# KiCad board poly_kb_wave_right2.kicad_pcb (continued)
## Routing (per net, layer and track width the routed paths; a pad name or vN(x,y) marks a point on that pad's centre or on a via; arc(x,y) is an arc through that point) (continued)
VBAT_UNLIMITED: length 30.1
  Top w0.6: C11.1 7.77,99.78 R10.2 6.52,99.73 v1(6.39,99.86) 6.33,99.8 U3.5 4.48,96.04 v1(3.47,95.03) 3.47,93.43 5.04,91.86 v1(8.04,91.86)
  Bottom w0.5: L1.2 6.44,101.01 C12.1 v1(6.39,99.86) ; C13.1 3.47,95.85 v1(3.47,95.03) 3.47,91.61 D6.2
  Bottom w0.6: JP1.3 9.34,91.45 8.93,91.86 v1(8.04,91.86)
VBUS: length 92.8
  Top w0.5: 5.6,116.1 F1.1
  Top w0.6: 14.14,119.35 14.14,120.5 D2.1 ; 14.14,119.35 8.85,119.35 5.6,116.1 ; 14.14,119.35 14.14,117.51 ; 14.14,117.51 14.18,117.47 14.18,108.78 13.06,107.66 4.61,107.66 2.1,105.14 2.1,83.32 9.22,76.2 9.22,74.85 v1(8.85,74.48) v1(8.85,69.61) ; 14.14,117.51 14.41,117.79 v1(18.73,117.79) 23.22,117.79 v1(23.28,117.73)
  Bottom w0.6: v1(8.85,74.48) 8.84,74.5 USB2.11 ; v1(23.28,117.73) 23.45,117.91 USB1.11 ; v1(18.73,117.79) 18.55,117.97 USB1.2 ; v1(8.85,69.61) 6.76,69.61 USB2.2
VDD: length 1348.4
  Top w0.229: 24.32,108.24 24.3,108.22 C21.1 ; 24.78,107.03 25.01,106.81 25.01,105.16 C23.1 24.73,103.4 C26.1 ; 24.78,107.03 24.56,107.26 C21.1 ; 24.78,107.03 25.04,107.03 v3(25.24,107.23) ; 18.63,105.35 18.6,105.33 18.6,103.47 C17.1 19.17,102.9 v3(19.17,102.83) ; 18.63,105.35 19.36,105.35 19.4,105.31 ; 18.63,105.35 18.6,105.38 18.6,107.31 18.72,107.42 18.72,108.24 ; v2(11.22,86.59) 11.05,86.77 J39.6 11.05,89.5 ; v2(19.77,108.94) 19.19,108.94 19.17,108.95 ; C21.1 C22.1 ; C26.1 24.04,103.46 v3(24.04,103.88) ; C26.1 23.56,102.22 C18.1 22.39,101.64 21.55,101.64 v3(21.49,101.7) ; 14.14,104.1 14.14,104.7 ; 21.53,108.24 21.54,108.25 v3(21.54,108.78)
  Top w0.3: v1(13.3,89.55) 13.55,89.3 J39.11 ; 12.5,89.55 12.55,89.5 J39.9 ; 10.1,96.04 U3.4 ; v2(80.08,34.18) 83.18,34.18 90.38,41.38 v2(90.38,41.78) ; C20.1 20.9,108.24
  Top w0.5: v1(13.43,80.52) 13.5,80.58 13.5,84.1 v1(14.05,84.66) ; v1(13.3,89.55) 11.1,89.55 11.05,89.5 11,89.55 11,95.95 ; U2.1 11.78,103.23 11.84,103.16 14.14,103.16 ; 14.14,103.16 v1(14.14,107.1) 14.14,107.64 14.74,108.24 25.27,108.24 25.96,108.94 31.03,108.94 32.1,110 v2(32.1,112.95) ; 14.14,103.16 14.14,99.99 13.75,99.6 11.25,99.6 11,99.35 11,95.95 ; 11,95.95 10.92,96.04 9.45,96.04 ; 9.45,96.04 10.07,96.04 ; 9.45,96.04 U3.4 ; v2(19.77,108.94) 19.77,108.57
  Top w0.6: R14.2 11.83,110.53 13,109.35 v1(13,108.95) ; R14.2 10.3,110.58 C5.1 ; R14.2 8.53,110.53 C6.1
  Bottom w0.229: U10.10 24.65,103.28 v3(24.04,103.88) ; v3(21.49,101.7) 21.55,101.64 U10.22 ; 11.78,85.86 11.22,86.42 v2(11.22,86.59) ; v2(19.77,108.94) 19.55,108.72 U10.44 U10.43 U10.42 ; v3(21.54,108.78) 21.55,108.76 U10.49 U10.48 ; U10.33 18.8,103.28 19.17,102.91 v3(19.17,102.83) ; U10.1 25.19,107.18 v3(25.24,107.23)
  Bottom w0.3: 118.47,116.53 118.72,116.77 119.51,116.77 ; 118.47,116.53 117.83,115.88 114.66,115.88 114.28,116.26 113.26,116.26 ; 118.47,116.53 118.75,116.8 119.14,116.8 ; 62.72,57.27 70.56,57.27 R1_23.1 72.53,57.24 74.4,59.11 75.16,59.11 ; 62.72,57.27 62.72,57.26 ; 62.72,57.27 61.6,57.27 60.68,56.35 57.51,56.35 57.13,56.73 56.11,56.73 ; 62.72,57.27 62.65,57.33 J23.7 ; v2(80.08,34.18) 80,34.1 78.75,34.1 ; U25.5 155.68,122.03 155.1,122.61 152.4,122.61 ; C3_30.1 18.03,22.33 18.24,21.76 19.12,20.88 20.28,20.88 23.06,21.89 23.61,23.07 24.66,23.45 ; J30.7 24.58,23.49 24.66,23.45 ; 62.72,76.32 61.6,76.32 60.68,75.4 57.51,75.4 57.13,75.78 56.11,75.78 ; 62.72,76.32 62.65,76.38 J16.7 ; 62.72,76.32 62.72,76.31 70.56,76.31 R1_16.1 72.2,76.29 74.07,78.16 75.16,78.16 ; 119.87,40.6 118.75,40.6 117.83,39.68 114.66,39.68 113.26,41.08 113.26,41.81 C3_34.1 112.12,42.95 R1_33.1 100.85,42.95 100.82,42.98 ; 119.87,40.6 119.8,40.66 119.8,41.36 ; 119.87,40.6 119.87,40.59 128.75,40.59 129.21,41.05 131.65,41.05 132.03,40.68 C3_35.1 132.31,39.43 132.31,38.7 133.71,37.3 136.88,37.3 137.8,38.22 138.92,38.22 ; 75.16,116.26 75.16,118.01 C3_3.1 ; 75.16,116.26 73.45,116.26 71.6,114.41 62.72,114.41 62.72,114.42 ; 75.16,116.26 76.18,116.26 76.56,115.88 79.73,115.88 80.65,116.8 81.77,116.8 ; 138.92,57.27 138.85,57.33 J27.7 ; 138.92,57.27 138.92,57.26 147.8,57.26 148.33,56.73 150.35,56.73 ; 138.92,57.27 137.8,57.27 136.88,56.35 133.71,56.35 132.31,57.75 132.31,58.48 C3_27.1 132.03,59.58 131.4,60.2 129.31,60.2 128.75,59.64 119.87,59.64 119.87,59.65 ; 14.77,85.91 C32.2 15.52,85.89 ; 109.63,119.15 R1_4.1 100.85,119.15 100.82,119.18 ; 109.63,119.15 109.63,118.46 111.82,116.26 113.26,116.26 ; 109.63,119.15 110.14,119.66 110.14,122.47 109.78,122.83 109.78,125.91 ; C3_17.1 75.16,79.91 75.16,78.16 ; R1_5.1 127.22,116.77 ; 127.22,116.77 119.51,116.77 ; 127.22,116.77 131.17,116.77 C3_6.1 132.31,115.63 132.31,114.9 133.71,113.5 136.88,113.5 137.8,114.42 138.92,114.42 ; 125.6,125.61 127.4,125.61 ; 125.6,125.61 125.58,125.59 U20.5 ; 125.6,125.61 112.76,125.61 112.75,125.6 ; 127.4,125.61 128.21,125.61 ; 127.4,125.61 129,125.61 130.95,123.66 131.8,123.66 ; 33.56,75.78 37.06,75.78 ; 37.06,75.78 38.08,75.78 38.46,75.4 41.63,75.4 42.55,76.32 43.67,76.32 ; 37.06,75.78 37.06,77.53 C3_15.1 ; J26.7 119.8,59.71 119.87,59.65 ; 156.12,94.83 156.12,96.58 C3_14.1 ; 156.12,94.83 150.33,94.83 ; 156.12,94.83 157.14,94.83 157.52,94.45 160.69,94.45 161.61,95.37 162.73,95.37 ; 28.55,114 C9.1 ; 28.55,114 29.6,112.95 v2(32.1,112.95) 32.1,111.26 R20.1 ; 28.55,114 27.8,114 U9.8 ; 62.72,95.37 62.65,95.43 J9.7 ; 62.72,95.37 61.6,95.37 60.68,94.45 57.51,94.45 57.13,94.83 56.11,94.83 ; 62.72,95.37 70.56,95.37 R1_9.1 72.54,95.34 74.42,97.21 75.16,97.21 ; 62.72,114.42 61.6,114.42 60.68,113.5 57.51,113.5 57.13,113.88 56.11,113.88 ; 62.72,114.42 62.65,114.48 J2.7 ; 52.13,76.31 43.67,76.31 43.67,76.32 ; 52.13,76.31 52.13,76.33 53.45,77.66 53.45,83.3 51.25,85.5 51.25,89.8 53.08,91.63 53.08,94.83 ; 52.13,76.31 52.66,75.78 56.11,75.78 ; 109.78,125.91 U18.5 ; 109.78,125.91 109.78,126.18 110.1,126.5 112.3,126.5 112.75,126.05 112.75,125.6 ; 119.14,116.8 119.17,116.77 119.51,116.77 ; 119.14,116.8 119.87,116.8 119.87,116.79 ; 109.31,81.08 109.7,81.08 ; 109.31,81.08 112.1,81.08 C3_19.1 113.26,79.91 113.26,79.2 114.28,78.18 114.28,78.16 114.66,77.78 117.83,77.78 118.75,78.7 119.87,78.7 ; 109.31,81.08 100.82,81.08 100.82,81.08 ; C3_4.1 93.25,119.42 93.28,119.45 ; 40.73,51.37 39.65,51.11 38.97,50 35.88,49.26 35.42,49.54 34.43,49.31 ; 40.73,51.37 40.66,51.42 J22.7 ; 40.73,51.37 40.74,51.36 R1_22.1 51.05,53.81 53.97,56.73 56.11,56.73 ; C3_33.1 94.21,44.19 94.21,41.86 94.13,41.78 ; 68.5,124.89 U17.5 71.39,124.89 71.9,125.41 74.2,125.41 74.65,124.95 U16.5 ; 68.5,124.89 68.43,124.82 U12.5 ; 68.5,124.89 55.65,124.89 ; C3_31.1 39.7,29.3 40.11,27.59 ; 56.11,75.78 56.11,77.53 C3_16.1 ; 88.9,22.75 85.4,22.75 84.53,23.63 ; R1_7.1 170.57,114.75 162.73,114.75 ; 43.67,76.32 43.6,76.38 J15.7 ; 155.56,75.78 154.22,77.13 154.22,81.06 150.41,84.87 150.41,85.25 ; 155.56,75.78 154.11,74.33 154.09,74.33 152.82,73.06 147.74,73.06 146.98,72.3 144.69,72.3 143.07,70.67 141.92,70.67 141.9,70.65 141.9,70.52 ; 155.56,75.78 156.12,75.78 ; C3_28.1 156.12,58.48 156.12,56.73 ; 156.12,114.21 148,114.21 147.8,114.41 138.92,114.41 138.92,114.42 ; 156.12,114.21 157.14,114.21 157.52,113.83 160.69,113.83 161.61,114.75 162.73,114.75 ; 156.12,114.21 156.12,115.96 C3_7.1 ; R1_21.1 161.58,76.29 161.23,75.93 ; 150.33,94.83 150.36,94.86 150.36,101.5 ; 150.33,94.83 147.81,94.83 147.28,95.36 138.92,95.36 138.92,95.37 ; 63.36,32.23 64.38,32.31 64.79,31.97 67.95,32.24 68.79,33.24 69.9,33.34 ; 63.36,32.23 63.21,33.97 C3_32.1 ; 63.36,32.23 61.09,32.03 55.05,31.73 55.04,31.73 46.41,29.65 46.4,29.66 ; J29.7 16.47,44.15 16.55,44.1 ; 93.28,119.45 92,119.45 91.41,118.86 U19.5 91.41,116.18 90.72,115.48 90.72,111.03 90.35,110.67 88.8,110.67 88.3,111.16 87.3,111.16 85.84,112.62 83.54,112.62 82.46,113.7 82.46,116.11 81.78,116.8 81.77,116.8 ; 93.28,119.45 94.61,119.45 95.81,118.26 98.78,118.26 99.7,119.18 100.82,119.18 ; 84.53,23.63 81.13,27.02 81.13,30.6 R1_32.1 ; 84.53,23.63 85,23.15 ; L2.2 10.02,110.54 8.4,112.16 8.4,115.85 12.6,120.04 12.6,122.15 D1.2 ; C3_8.1 37.06,96.58 37.06,95.85 38.46,94.45 41.63,94.45 42.55,95.37 43.67,95.37 ; DBG3.9 172.5,44.87 172.5,42.45 168.26,38.21 157.97,38.21 157.97,38.22 ; 100.82,62.03 100.82,62.03 112.1,62.03 C3_26.1 113.26,60.86 113.26,60.13 114.48,58.91 114.66,58.73 117.83,58.73 118.75,59.65 119.87,59.65 ; 100.82,62.03 100.75,62.09 J25.7 ; 100.82,62.03 99.7,62.03 98.78,61.11 95.61,61.11 95.23,61.49 94.21,61.49 ; 43.67,114.42 43.6,114.48 J1.7 ; 43.67,114.42 43.67,114.41 51.51,114.41 R1_1.1 52.04,113.88 56.11,113.88 ; 43.67,114.42 42.55,114.42 41.63,113.5 38.46,113.5 38.08,113.88 37.06,113.88 ; 138.92,114.42 138.85,114.48 J6.7 ; R1_28.1 170.57,57.27 161.61,57.27 ; 156.12,75.78 156.12,77.53 C3_21.1 ; 156.12,75.78 157.14,75.78 157.52,75.4 160.69,75.4 161.23,75.93 ; 15.45,85.2 15.79,84.87 R3.1 R4.1 ; J11.7 100.75,100.19 100.82,100.13 ; 94.21,61.49 92.93,61.49 91.06,59.62 R1_24.1 89.61,59.64 81.77,59.64 81.77,59.65 ; 94.21,61.49 94.21,63.24 C3_25.1 ; 100.82,42.98 100.75,43.04 J33.7 ; 100.82,42.98 99.7,42.98 98.5,41.78 94.13,41.78 ; 141.9,70.52 141.9,67.98 142.79,67.09 143.04,67.09 ; 141.9,70.52 141.9,70.67 139.23,73.34 139.23,76 138.92,76.32 ; 56.11,56.73 56.11,58.48 C3_23.1 ; 34.43,49.31 32.47,48.83 30.53,48.83 30.51,48.86 ; 34.43,49.31 34.03,51.01 C3_22.1 ; 138.92,76.32 138.85,76.38 J20.7 ; 138.92,76.32 137.8,76.32 136.88,75.4 133.71,75.4 132.31,76.8 132.31,77.53 C3_20.1 132.03,78.68 131.53,79.18 129.23,79.18 128.75,78.69 119.87,78.69 119.87,78.7 ; 23.9,46.75 16.5,44.09 15.95,42.9 12.05,41.4 10.25,42.1 9.92,42.99 C3_29.1 ; 100.82,100.13 100.85,100.1 R1_11.1 112.12,100.1 C3_12.1 113.26,98.96 113.26,98.37 114.8,96.83 117.83,96.83 118.75,97.75 119.87,97.75 ; 100.82,100.13 99.7,100.13 98.78,99.21 95.61,99.21 95.23,99.59 94.21,99.59 ; C3_11.1 94.21,101.34 94.21,99.59 ; 81.77,78.7 81.7,78.76 J17.7 ; 81.77,78.7 80.65,78.7 79.73,77.78 76.56,77.78 76.18,78.16 75.16,78.16 ; 81.77,78.7 81.77,78.69 89.61,78.69 R1_17.1 91.11,78.67 92.98,80.54 94.21,80.54 ; 161.23,75.93 161.61,76.32 162.73,76.32 162.67,76.38 J21.7 ; U23.5 131.8,123.66 ; 131.8,123.66 144.6,123.66 ; 144.6,123.66 144.5,123.56 U22.5 ; 144.6,123.66 147.05,123.66 148.11,122.61 152.4,122.61 ; 138.92,38.22 138.92,38.21 147.54,38.21 148.07,37.68 151.36,37.68 ; 138.92,38.22 138.85,38.28 J35.7 ; 162.73,95.37 162.67,95.43 J14.7 ; 162.73,95.37 162.73,95.36 170.58,95.36 R1_14.1 ; C3_5.1 113.26,118.01 113.26,116.26 ; 161.61,57.27 160.69,56.35 157.52,56.35 157.14,56.73 156.12,56.73 ; 161.61,57.27 162.73,57.27 162.67,57.33 J28.7 ; 112.75,125.6 U21.5 112.7,124.38 ; 69.9,33.34 69.91,33.33 78.75,34.1 ; 69.9,33.34 69.83,33.39 J32.7 ; 150.35,56.73 150.35,64.5 ; 150.35,56.73 156.12,56.73 ; 119.87,78.7 119.8,78.76 J19.7 ; 138.92,95.37 137.8,95.37 136.88,94.45 133.84,94.45 132.31,95.99 132.31,96.58 C3_13.1 131.42,97.48 131.07,97.48 130.83,97.72 R1_12.1 119.9,97.72 119.87,97.75 ; 138.92,95.37 138.85,95.43 J13.7 ; 75.16,97.21 76.18,97.21 76.56,96.83 79.73,96.83 80.65,97.75 81.77,97.75 ; 75.16,97.21 75.16,98.96 C3_10.1 ; 151.36,37.68 151.36,39.43 C3_36.1 ; 151.36,37.68 152.38,37.68 152.76,37.3 155.93,37.3 156.85,38.22 157.97,38.22 ; U7.16 99.4,22.71 94.1,28 89.95,28 84.18,33.78 v2(84.18,35.18) ; J8.7 43.6,95.43 43.67,95.37 ; 94.21,80.54 95.23,80.54 95.61,80.16 98.78,80.16 99.7,81.08 100.82,81.08 ; 94.21,80.54 94.21,82.29 C3_18.1 ; 55.65,124.89 55.6,124.85 U13.5 ; 55.65,124.89 49.43,124.89 ; 162.73,114.75 162.67,114.81 J7.7 ; C3_9.1 56.11,96.58 56.11,94.83 ; 40.11,27.59 39.21,27.38 33.63,27.38 33.62,27.39 ; 40.11,27.59 41.09,27.83 41.55,27.55 44.64,28.29 45.32,29.4 46.4,29.66 ; 56.11,94.83 53.08,94.83 ; 81.7,98.51 81.7,97.81 81.77,97.75 ; 157.97,38.22 157.9,38.28 J36.7 ; 78.75,34.1 78.75,34.11 ; 37.06,113.88 37.06,115.63 C3_1.1 ; 37.06,113.88 37.04,113.9 32.11,113.9 32.1,113.91 ; 53.08,94.83 52.04,94.83 R1_8.1 51.51,95.36 43.67,95.36 43.67,95.37 ; 56.11,113.88 56.11,115.63 C3_2.1 ; 152.4,122.61 152.38,122.58 U24.5 ; 100.82,81.08 100.75,81.14 J18.7 ; J4.7 100.75,119.24 100.82,119.18 ; 49.43,124.89 49.38,124.85 U14.5 ; 49.43,124.89 38.1,124.89 36.43,123.22 U15.5 ; 94.21,99.59 92.86,99.59 90.99,97.72 R1_10.1 89.61,97.75 81.77,97.75 ; 94.13,41.78 v2(90.38,41.78) ; 119.87,97.75 119.8,97.81 119.8,98.51 ; R1_30.1 24.66,23.45 ; 24.66,23.45 24.66,23.45 ; J37.12 11.75,77.8 11.75,79.14 13.12,80.52 v1(13.43,80.52) 16.7,80.52 ; C3_24.1 75.16,60.86 75.16,59.11 ; 81.77,116.8 81.7,116.86 J3.7 ; 30.51,48.86 30.51,56.9 ; 30.51,48.86 30.51,38.4 ; 81.77,97.75 81.77,97.74 ; 46.4,29.66 46.33,29.7 J31.7 ; 30.51,46.6 30.34,46.77 R1_29.1 ; 75.16,59.11 76.18,59.11 76.56,58.73 79.73,58.73 80.65,59.65 81.77,59.65 ; 81.77,59.65 81.7,59.71 J24.7 ; J5.7 119.8,116.86
  Bottom w0.5: R1_30.1 32.34,26.12 33.62,27.39 33.62,35.29 30.51,38.4 30.51,56.9 31.77,58.16 J38.5 33.56,63.29 33.56,75.78 31.3,75.78 26.93,80.14 23.33,80.14 22.96,80.52 v1(13.43,80.52) ; v1(14.05,84.66) 14.1,84.6 14.85,84.6 15.45,85.2 15.45,87.8 13.7,89.55 v1(13.3,89.55) ; 10.06,110.15 L2.2 ; v2(32.1,112.95) 32.1,117.45 36.43,121.78 U15.5
  Bottom w0.6: L2.2 11.42,110.54 v1(13,108.95) 13.7,108.95 14.14,108.52 v1(14.14,107.1)
/K_1/C1N: length 5.3
  Bottom w0.3: J2.5 61.65,115.97 60.65,116.98 58.19,116.98 C6_2.2
/K_1/C1P: length 5.9
  Bottom w0.3: C6_2.1 56.77,117.03 57.28,116.53 60.46,116.53 61.15,115.84 J2.4
/K_1/C2N: length 6.1
  Bottom w0.3: J2.3 60.65,114.39 60.28,114.01 57.89,114.01 56.77,115.12 C5_2.2
/K_1/C2P: length 4.3
  Bottom w0.3: C5_2.1 57.73,114.93 58.18,114.48 60.11,114.48 60.15,114.53 J2.2
/K_1/CS: length 101.5
  Top w0.3: v2(71.35,115.41) 70.59,116.17 v2(62.97,116.17) ; v2(71.64,106.41) 71.65,106.42 94.49,106.42 95.31,105.61 113.28,105.61 114.11,106.44 125.27,106.44 127.53,104.18 144.48,104.18 147.86,100.81 v2(148.25,100.81)
  In1.Cu w0.3: v2(71.35,115.41) 71.25,115.31 71.25,106.8 v2(71.64,106.41)
  Bottom w0.3: v2(148.25,100.81) 149.65,100.81 149.86,101.01 149.86,101.5 ; J2.8 63.15,115.98 v2(62.97,116.17) ; R1_2.2 v2(71.35,115.41)
/K_1/LED_DIN: length 18.1
  Top w0.3: 64.37,116.99 69.77,116.99 72.47,119.69 78.21,119.69 80.3,117.6 80.49,117.6
/K_1/LED_DOUT: length 17.4
  Top w0.3: 61.44,115.21 61.25,115.21 59.16,117.31 53.69,117.31 53,116.62 51.47,116.62 51.1,116.99 45.32,116.99
/K_1/VCOMH: length 5.2
  Bottom w0.3: J2.13 65.65,115.88 66.75,116.98 67.53,116.98 68.81,118.26 C4_2.1
/K_2/C1N: length 5.5
  Bottom w0.3: C6_3.2 77.24,119.36 80.05,119.36 80.7,118.7 J3.5
/K_2/C1P: length 5.7
  Bottom w0.3: J3.4 80.2,118.22 79.51,118.91 76.73,118.91 C6_3.1
/K_2/C2N: length 6.1
  Bottom w0.3: J3.3 79.7,116.77 79.33,116.39 76.94,116.39 75.82,117.51 C5_3.2
/K_2/C2P: length 4.3
  Bottom w0.3: J3.2 79.2,116.91 79.16,116.86 77.23,116.86 76.78,117.31 C5_3.1
/K_2/CS: length 84.1
  Top w0.3: v2(90.71,117.52) 89.68,118.55 v2(82.02,118.55) ; 107.37,108.63 109.11,106.89 114.18,106.89 ; 107.37,108.63 107.13,108.88 91.04,108.88 v2(90.83,108.67) ; 107.37,108.63 109.13,106.87 ; 114.18,106.89 113.65,106.89 ; 114.18,106.89 125.74,106.89 128,104.63 144.88,104.63 147.66,101.85 v2(147.67,101.85)
  In1.Cu w0.3: v2(90.71,117.52) 90.83,117.4 v2(90.83,108.67)
  Bottom w0.3: v2(82.02,118.55) 82.2,118.36 J3.8 ; R1_3.2 90.72,117.51 v2(90.71,117.52) ; 148.92,101.95 147.78,101.95 v2(147.67,101.85)
/K_2/LED_DIN: length 16.8
  Top w0.3: 99.35,119.98 99.54,119.98 98.6,119.04 96.69,119.04 96.35,119.38 83.42,119.38
/K_2/VCOMH: length 9.4
  Bottom w0.3: J3.13 84.7,116.91 84.86,116.75 85.76,116.75 86.53,115.99 86.53,113.26 88.12,111.67 C4_3.1
/K_3/C1N: length 5.3
  Bottom w0.3: C6_4.2 96.29,121.74 98.75,121.74 99.75,120.74 J4.5
/K_3/C1P: length 5.9
  Bottom w0.3: J4.4 99.25,120.6 98.56,121.29 95.38,121.29 94.87,121.79 C6_4.1
/K_3/C2N: length 6.1
  Bottom w0.3: J4.3 98.75,119.15 98.38,118.77 95.99,118.77 94.87,119.89 C5_4.2
/K_3/C2P: length 4.3
  Bottom w0.3: C5_4.1 95.83,119.69 96.28,119.24 98.21,119.24 98.25,119.29 J4.2
/K_3/CS: length 63.2
  Top w0.3: v2(109.45,120.17) 108.69,120.93 v2(101.07,120.93)
  In1.Cu w0.3: v2(109.54,110.07) 109.54,120.08 v2(109.45,120.17)
  Bottom w0.3: J4.8 101.25,120.74 v2(101.07,120.93) ; R1_4.2 v2(109.45,120.17) ; 148.92,102.46 147.25,102.46 146.04,103.67 132.72,103.67 129.28,107.11 112.5,107.11 v2(109.54,110.07)
/K_3/LED_DIN: length 17.8
  Top w0.3: 102.47,121.76 108.95,121.76 111.02,119.69 116.31,119.69 118.4,117.6 118.59,117.6
/K_3/VCOMH: length 5.2
  Bottom w0.3: J4.13 103.75,120.64 104.85,121.74 105.63,121.74 106.91,123.02 C4_4.1
/K_4/C1N: length 5.3
  Bottom w0.3: J5.5 118.8,118.36 117.8,119.36 115.34,119.36 C6_5.2
/K_4/C1P: length 5.9
  Bottom w0.3: C6_5.1 113.92,119.41 114.43,118.91 117.61,118.91 118.3,118.22 J5.4
/K_4/C2N: length 6.1
  Bottom w0.3: C5_5.2 113.92,117.51 115.04,116.39 117.43,116.39 117.8,116.77 J5.3
/K_4/C2P: length 4.3
  Bottom w0.3: J5.2 117.3,116.91 117.26,116.86 115.33,116.86 114.88,117.31 C5_5.1
/K_4/CS: length 42.3
  Top w0.3: v2(120.12,118.55) 127.74,118.55 v2(128.5,117.79)
  In1.Cu w0.3: v2(128.49,108.93) 128.49,117.78 v2(128.5,117.79)
  Bottom w0.3: J5.8 120.3,118.36 v2(120.12,118.55) ; 148.92,102.96 147.39,102.96 145.66,104.69 132.73,104.69 v2(128.49,108.93) ; R1_5.2 v2(128.5,117.79)
/K_4/LED_DIN: length 17.8
  Top w0.3: 137.64,115.21 137.45,115.21 135.36,117.31 129.91,117.31 127.84,119.38 121.52,119.38
/K_4/VCOMH: length 5.2
  Bottom w0.3: C4_5.1 125.96,120.64 124.68,119.36 123.9,119.36 122.8,118.26 J5.13
/K_5/C1N: length 5.3
  Bottom w0.3: C6_6.2 134.39,116.98 136.85,116.98 137.85,115.97 J6.5
/K_5/C1P: length 5.7
  Bottom w0.3: J6.4 137.35,115.83 136.66,116.53 133.88,116.53 C6_6.1
/K_5/C2N: length 6.1
  Bottom w0.3: C5_6.2 132.97,115.12 134.09,114.01 136.48,114.01 136.85,114.39 J6.3
/K_5/C2P: length 4.3
  Bottom w0.3: J6.2 136.35,114.53 136.31,114.48 134.38,114.48 133.93,114.93 C5_6.1
/K_5/CS: length 25
  Top w0.3: v2(139.17,116.17) 146.79,116.17 v2(147.55,115.41)
  In1.Cu w0.3: v2(147.36,103.84) 147.36,107.78 148.88,109.31 148.88,114.07 v2(147.55,115.41)
  Bottom w0.3: v2(147.36,103.84) 147.75,103.46 148.92,103.46 ; R1_6.2 v2(147.55,115.41) ; v2(139.17,116.17) 139.35,115.98 J6.8
/K_5/LED_DIN: length 22
  Top w0.3: 140.57,116.99 148.24,116.99 148.88,117.64 159.17,117.64 161.27,115.54 161.45,115.54
/K_5/VCOMH: length 5.2
  Bottom w0.3: C4_6.1 145.01,118.26 143.73,116.98 142.95,116.98 141.85,115.88 J6.13
/K_A/C1N: length 5.3
  Bottom w0.3: J16.5 61.65,77.78 60.56,78.88 58.19,78.88 C6_16.2
/K_A/C1P: length 5.6
  Bottom w0.3: C6_16.1 57.68,78.43 60.37,78.43 61.15,77.64 J16.4
/K_A/C2N: length 6.1
  Bottom w0.3: C5_16.2 56.77,77.02 57.89,75.91 60.28,75.91 60.65,76.29 J16.3
/K_A/C2P: length 4.3
  Bottom w0.3: C5_16.1 57.73,76.83 58.18,76.38 60.11,76.38 60.15,76.43 J16.2
/K_A/CS: length 101.5
  Top w0.3: v2(62.97,78.07) 70.59,78.07 v2(71.35,77.31) ; v2(149,63.41) 146.95,63.41 144.38,65.98 129.5,65.98 127.06,68.41 111.54,68.41 109.23,70.73 89.62,70.73 87.47,68.57 72.96,68.57 v2(71.64,69.89)
  In1.Cu w0.3: v2(71.35,77.31) 71.35,77.3 71.35,70.17 v2(71.64,69.89)
  Bottom w0.3: J16.8 63.15,77.88 v2(62.97,78.07) ; R1_16.2 v2(71.35,77.31) ; 149.85,64.5 149.85,64 149.25,63.41 v2(149,63.41)
/K_A/LED_DIN: length 18.1
  Top w0.3: 64.37,78.89 69.52,78.89 72.22,81.59 78.21,81.59 80.3,79.5 80.49,79.5
/K_A/LED_DOUT: length 16.9
  Top w0.3: 45.32,78.89 51.6,78.89 52.59,77.91 60.46,77.91 61.25,77.11 61.44,77.11
/K_A/VCOMH: length 5.2
  Bottom w0.3: J16.13 65.65,77.78 66.75,78.88 67.53,78.88 68.81,80.16 C4_16.1
/K_B1/C1N: length 5.3
  Bottom w0.3: J30.5 23.13,24.55 21.84,25.15 19.53,24.31 C6_30.2
/K_B1/C1P: length 5.9
  Bottom w0.3: J30.4 22.7,24.25 21.82,24.66 18.82,23.57 18.18,23.87 C6_30.1
/K_B1/C2N: length 6.1
  Bottom w0.3: J30.3 22.73,22.72 22.5,22.23 20.26,21.42 18.83,22.08 C5_30.2
/K_B1/C2P: length 4.3
  Bottom w0.3: J30.2 22.21,22.68 22.18,22.62 20.37,21.96 19.8,22.22 C5_30.1
/K_B1/CS: length 69.5
  Top w0.3: v2(86.25,23.41) 58.4,23.41 56,25.81 46.4,25.81 45.58,26.63 41.24,26.63 40.21,25.6 v2(33.9,25.6) ; v2(32.43,27.33) 30.22,27.34 v2(24.29,25.18)
  In1.Cu w0.3: v2(33.9,25.6) 33.9,25.86 v2(32.43,27.33)
  Bottom w0.3: J30.8 24.53,25.07 v2(24.29,25.18) ; R1_30.2 v2(32.43,27.33) ; 88.9,23.25 86.4,23.25 v2(86.25,23.41)
/K_B1/LED_DIN: length 20.5
  Top w0.3: 44.98,30.13 44.8,30.09 43.71,30.76 33.78,28.1 29.91,28.1 25.33,26.44
/K_B1/LED_DOUT: length 41.2
  Top w0.3: 23.01,23.7 23.18,23.76 23.18,23.75 v2(24.65,22.28) ; 17.22,47.09 22.51,49.02 25.85,49.05 25.85,49.02 v2(25.86,49.02)
  In2.Cu w0.3: v2(25.86,49.02) 26.28,49.02 28.79,46.5 28.79,28.42 24.65,24.28 v2(24.65,22.28)
/K_B1/VCOMH: length 5.2
  Bottom w0.3: J30.13 26.92,25.83 27.57,27.24 28.31,27.5 29.07,29.14 C4_30.1
/K_B2/C1N: length 5.3
  Bottom w0.3: C6_31.2 41.41,31.09 43.8,31.66 45.01,30.92 J31.5
/K_B2/C1P: length 5.9
  Bottom w0.3: J31.4 44.55,30.67 43.72,31.18 40.62,30.44 40.02,30.81 C6_31.1
/K_B2/C2N: length 6.1
  Bottom w0.3: C5_31.2 40.46,28.96 41.8,28.13 44.13,28.69 44.41,29.14 J31.3
/K_B2/C2P: length 4.3
  Bottom w0.3: C5_31.1 41.44,28.99 41.98,28.66 43.85,29.11 43.89,29.16 J31.2
/K_B2/CS: length 50.2
  Top w0.3: v2(84.2,29.31) 69.8,29.31 67.8,31.3 61.54,31.3 v2(60.04,29.81) ; v2(46.24,31.42) 53.65,33.2 v2(54.57,32.63)
  In1.Cu w0.3: v2(60.04,29.81) 57.4,29.81 v2(54.57,32.63)
  Bottom w0.3: 89.35,24.2 89.35,24.46 84.5,29.31 v2(84.2,29.31) ; v2(46.24,31.42) 46.46,31.28 J31.8 ; R1_31.2 v2(54.57,32.63)
/K_B2/LED_DIN: length 21.5
  Top w0.3: 47.41,32.55 52.09,33.67 67.64,34.62 68.37,34 68.56,34.02
/K_B2/VCOMH: length 5.2
  Bottom w0.3: J31.13 48.92,31.76 49.73,33.09 50.49,33.27 51.43,34.81 C4_31.1
/K_B3/C1N: length 5.3
  Bottom w0.3: C6_32.2 65.17,35.49 67.62,35.71 68.71,34.79 J32.5
/K_B3/C1P: length 5.9
  Bottom w0.3: C6_32.1 63.75,35.42 64.29,34.96 67.47,35.24 68.22,34.61 J32.4
/K_B3/C2N: length 6.1
  Bottom w0.3: C5_32.2 63.92,33.52 65.12,32.51 67.5,32.72 67.85,33.12 J32.3
/K_B3/C2P: length 4.3
  Bottom w0.3: J32.2 67.34,33.22 67.29,33.17 65.38,33 64.89,33.41 C5_32.1
/K_B3/CS: length 27.3
  Top w0.3: v2(78.41,35.07) 77.59,35.77 v2(70,35.1)
  Bottom w0.3: v2(70,35.1) 70.2,34.93 J32.8 ; R1_32.2 v2(78.41,35.07) 80.34,35.07 89.85,25.57 89.85,24.2
/K_B3/LED_DIN: length 34
  Top w0.3: 71.32,36.05 71.9,36.05 72.16,36.3 84.26,36.3 87.1,39.14 87.1,40.64 92.34,45.87 97.32,45.87 99.41,43.78 99.54,43.78
/K_B3/VCOMH: length 5.2
  Bottom w0.3: C4_32.1 75.63,37.69 74.47,36.31 73.7,36.24 72.7,35.05 J32.13
/K_B4/C1N: length 5.3
  Bottom w0.3: C6_33.2 96.29,45.54 98.75,45.54 99.75,44.54 J33.5
/K_B4/C1P: length 5.7
  Bottom w0.3: J33.4 99.25,44.4 98.56,45.09 95.78,45.09 C6_33.1
/K_B4/C2N: length 6.1
  Bottom w0.3: J33.3 98.75,42.95 98.38,42.57 95.99,42.57 94.87,43.69 C5_33.2
/K_B4/C2P: length 4.3
  Bottom w0.3: C5_33.1 95.83,43.49 96.28,43.04 98.21,43.04 98.25,43.09 J33.2
/K_B4/CS: length 38.3
  Top w0.3: v2(101.07,44.73) 108.69,44.73 v2(109.45,43.97)
  In1.Cu w0.3: v2(90.5,26.81) 94,30.3 94,42.41 96.33,44.73 v2(101.07,44.73)
  Bottom w0.3: v2(101.07,44.73) 101.25,44.54 J33.8 ; 90.35,24.2 90.35,26.65 v2(90.5,26.81) ; R1_33.2 v2(109.45,43.97)
/K_B4/LED_DIN: length 17.8
  Top w0.3: 118.59,41.4 118.4,41.4 116.31,43.49 110.82,43.49 108.75,45.56 102.47,45.56
/K_B4/VCOMH: length 5.2
  Bottom w0.3: J33.13 103.75,44.44 104.85,45.54 105.63,45.54 106.91,46.82 C4_33.1
/K_B5/C1N: length 5.3
  Bottom w0.3: C6_34.2 115.34,43.16 117.8,43.16 118.8,42.15 118.8,41.36
/K_B5/C1P: length 5.7
  Bottom w0.3: C6_34.1 114.83,42.71 117.61,42.71 118.3,42.02 118.3,41.36
/K_B5/C2N: length 6.1
  Bottom w0.3: 117.8,41.36 117.8,40.57 117.43,40.19 115.04,40.19 113.92,41.31 C5_34.2
/K_B5/C2P: length 4.3
  Bottom w0.3: 117.3,41.36 117.3,40.71 117.26,40.66 115.33,40.66 114.88,41.11 C5_34.1
/K_B5/CS: length 52.6
  Top w0.3: v2(128.5,41.59) 127.74,42.35 v2(120.12,42.35) ; v2(93.05,26.8) 93.06,26.81 106.5,26.81 v2(111.9,32.2)
  In1.Cu w0.3: v2(111.9,32.2) 111.9,39.5 114.75,42.35 v2(120.12,42.35)
  Bottom w0.3: v2(120.12,42.35) 120.3,42.16 120.3,41.36 ; v2(93.05,26.8) 91.8,26.8 90.85,25.85 90.85,24.2 ; R1_34.2 v2(128.5,41.59)
/K_B5/LED_DIN: length 17.8
  Top w0.3: 121.52,43.18 127.8,43.18 129.87,41.11 135.36,41.11 137.45,39.01 137.64,39.01
/K_B5/VCOMH: length 5.2
  Bottom w0.3: 122.8,41.36 122.8,42.06 123.9,43.16 124.68,43.16 125.96,44.44 C4_34.1
/K_B6/C1N: length 5.3
  Bottom w0.3: C6_35.2 134.39,40.78 136.85,40.78 137.85,39.77 J35.5
/K_B6/C1P: length 5.7
  Bottom w0.3: J35.4 137.35,39.63 136.66,40.33 133.88,40.33 C6_35.1
/K_B6/C2N: length 6.1
  Bottom w0.3: J35.3 136.85,38.19 136.48,37.81 134.09,37.81 132.97,38.92 C5_35.2
/K_B6/C2P: length 4.3
  Bottom w0.3: C5_35.1 133.93,38.73 134.38,38.28 136.31,38.28 136.35,38.33 J35.2
/K_B6/CS: length 83.4
  Top w0.3: v2(147.61,39.53) 147.18,39.97 v2(139.17,39.97) ; v2(92.95,24.91) 93.98,23.88 146.88,23.88 v2(147.1,24.1)
  In1.Cu w0.3: v2(147.1,24.1) 147.1,39.02 v2(147.61,39.53)
  Bottom w0.3: v2(139.17,39.97) 139.35,39.78 J35.8 ; R1_35.2 147.29,39.21 v2(147.61,39.53) ; v2(92.95,24.91) 92.8,25.06 91.5,25.06 91.35,24.91 91.35,24.2
/K_B6/LED_DIN: length 17.1
  Top w0.3: 156.69,39.01 156.5,39.01 154.41,41.11 149.7,41.11 149.38,40.79 140.57,40.79
/K_B6/VCOMH: length 5.2
  Bottom w0.3: J35.13 141.85,39.68 142.95,40.78 143.73,40.78 145.01,42.06 C4_35.1
/K_B7/C1N: length 5.3
  Bottom w0.3: C6_36.2 153.44,40.78 155.9,40.78 156.9,39.77 J36.5
/K_B7/C1P: length 5.9
  Bottom w0.3: J36.4 156.4,39.64 155.71,40.33 152.53,40.33 152.02,40.83 C6_36.1